# KiCad board k410t-devboard.kicad_pcb (continued)
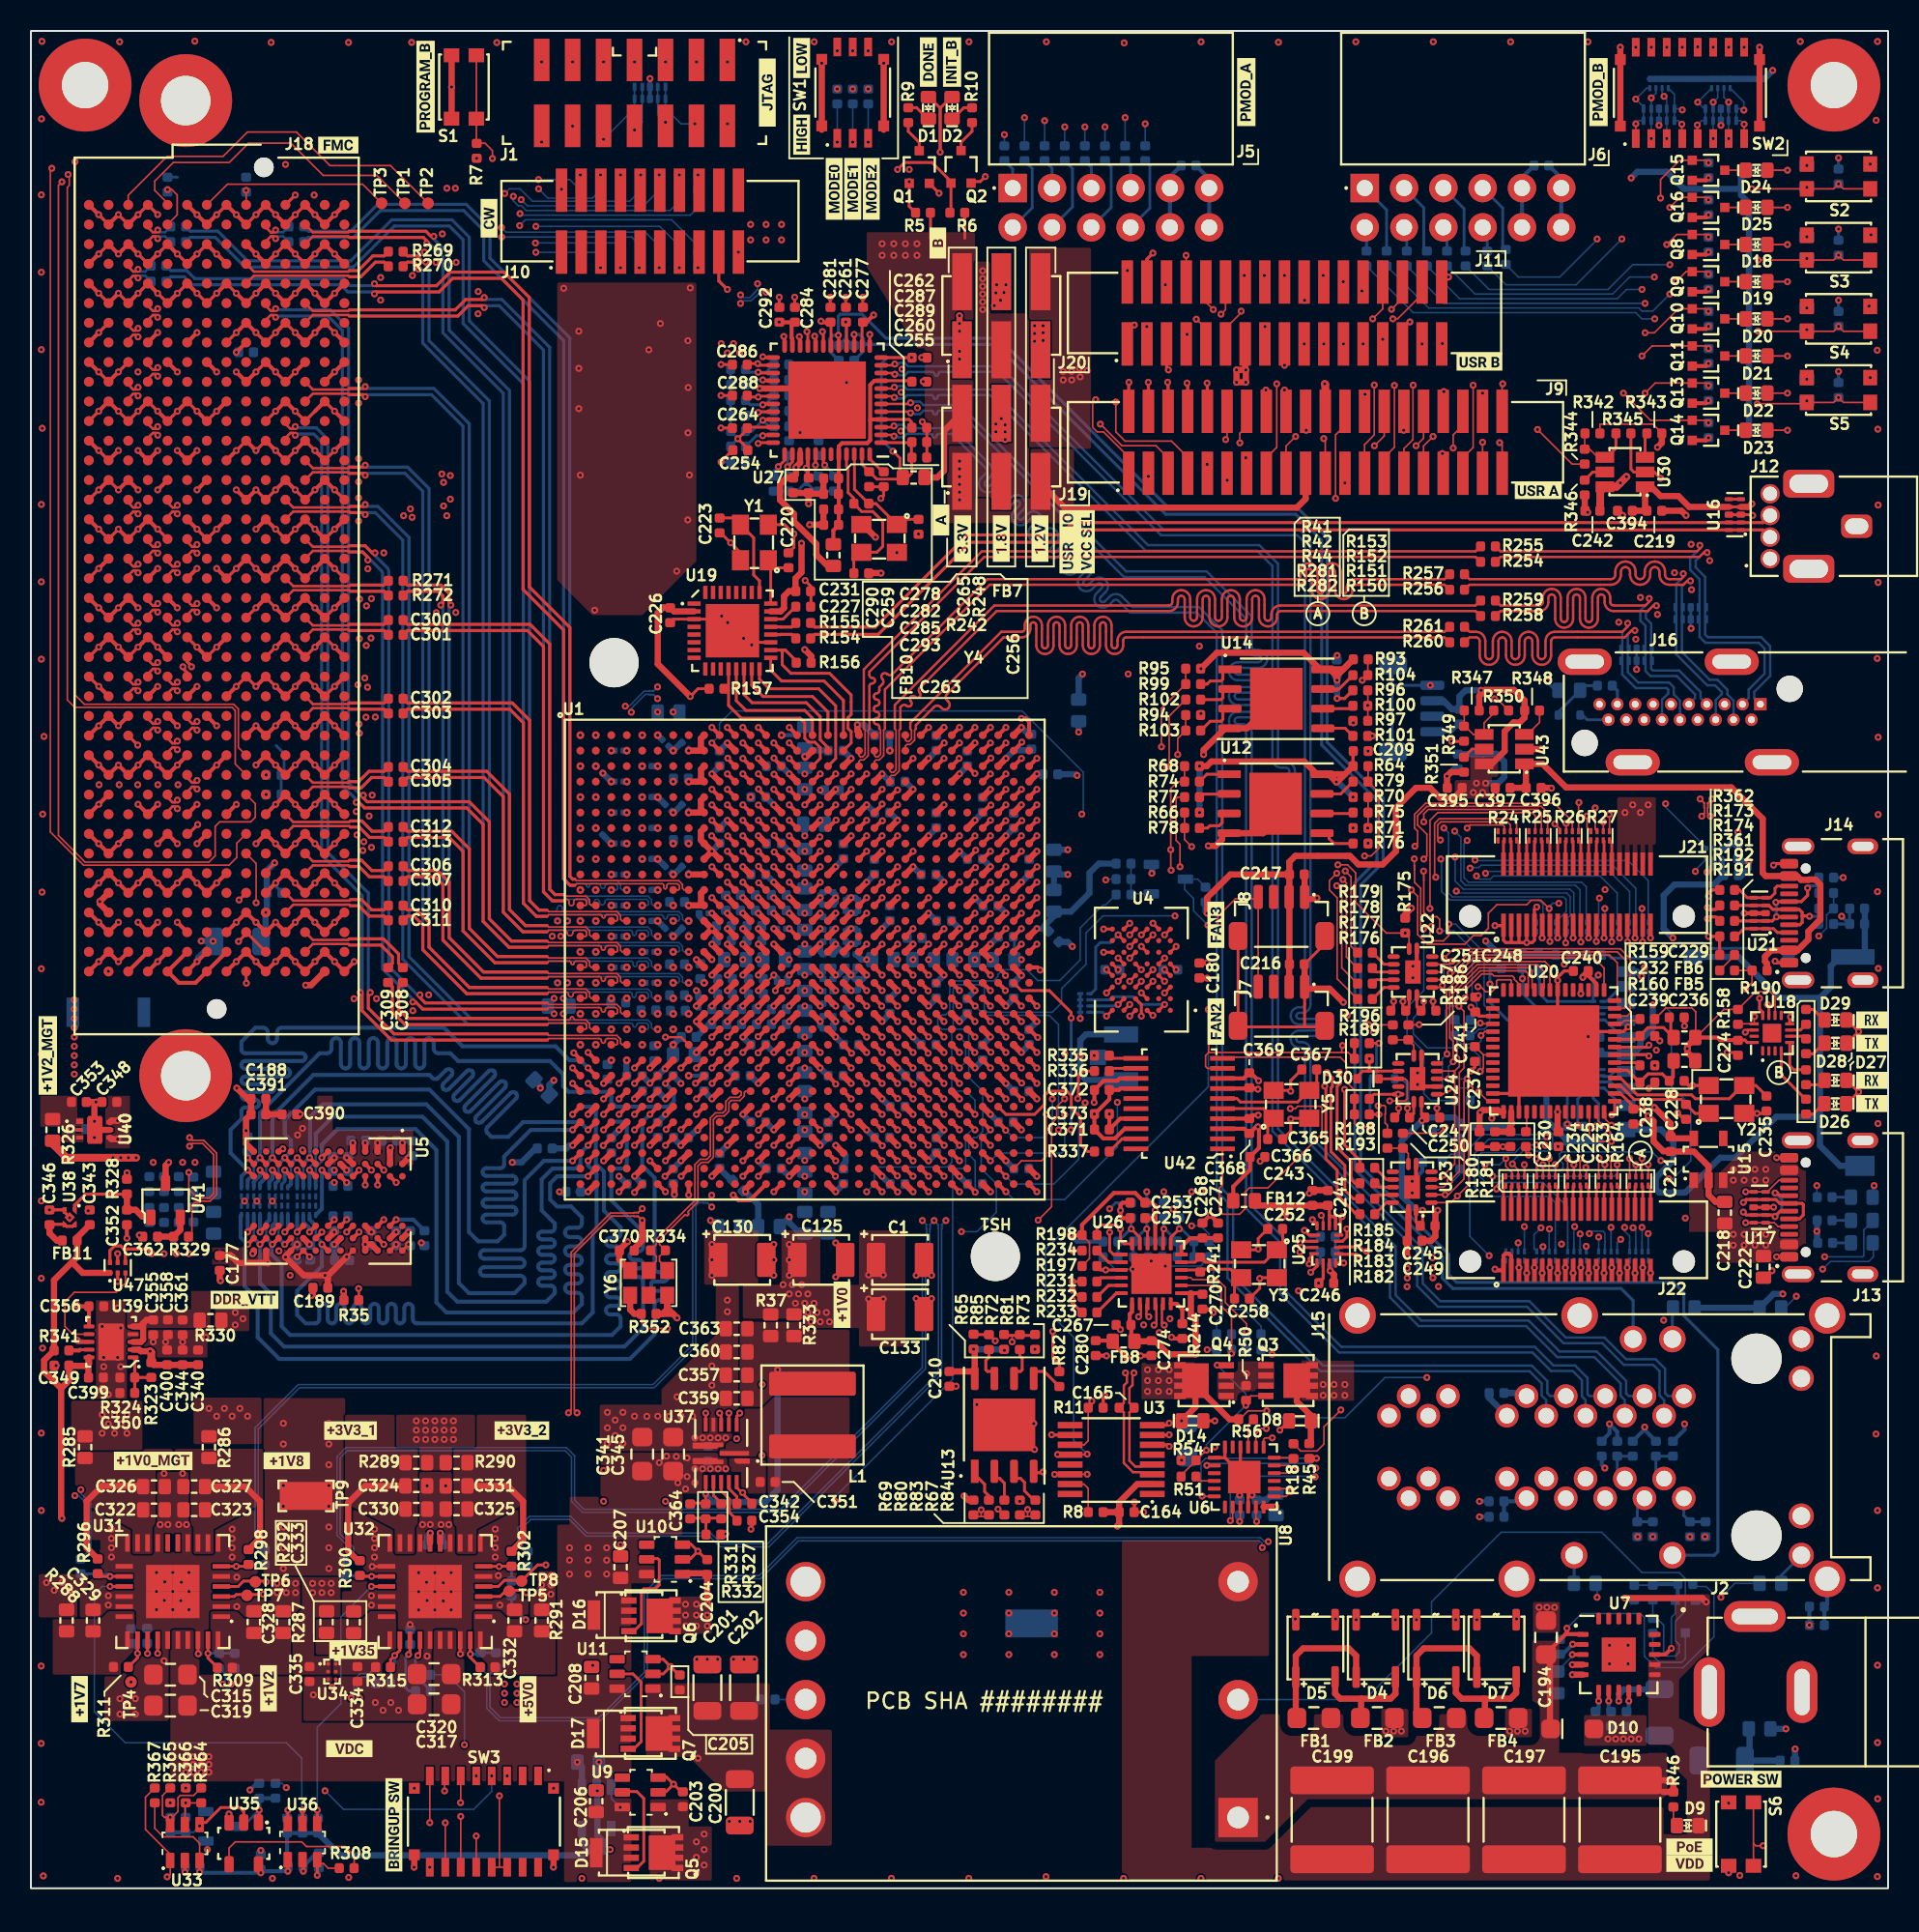
[diagram p0: board, top side]
## Routing (per net, layer and track width the routed paths; a pad name or vN(x,y) marks a point on that pad's centre or on a via; arc(x,y) is an arc through that point) (continued)
/FPGA Bank 16 & 17/GBE_RGMII.MDC: length 36.3
  Top w0.182: v1(46.99,93.35) 47.04,93.4 48.02,93.4
  Top w0.256: U1.F17 v1(52,70)
  In7.Cu w0.1: v1(46.99,93.35) 45.48,94.86 44.35,94.86 43.82,94.33 43.82,94.03 arc(43.88,93.89) 44.02,93.83 44.5,93.83 arc(44.64,93.77) 44.7,93.63 arc(44.64,93.49) 44.5,93.43 44.02,93.43 arc(43.88,93.37) 43.82,93.23 arc(43.88,93.09) 44.02,93.03 44.5,93.03 arc(44.64,92.97) 44.7,92.83 arc(44.64,92.69) 44.5,92.63 44.02,92.63 arc(43.88,92.57) 43.82,92.43 43.82,83.7 47.09,80.43 47.09,79.58 51.29,75.38 51.29,72.59 51.57,72.31 51.57,70.42 v1(52,70)
/FPGA Bank 16 & 17/GBE_RGMII.MDIO: length 37.1
  Top w0.182: 48.7,92.72 48.7,92.26 v1(48.29,91.85)
  Top w0.256: U1.D18 v1(53,72)
  In7.Cu w0.1: v1(48.29,91.85) 47.72,91.28 arc(47.6,91.23) 47.47,91.28 47.3,91.46 arc(47.17,91.51) 47.05,91.46 arc(47,91.33) 47.05,91.21 47.23,91.03 arc(47.28,90.91) 47.23,90.78 arc(47.1,90.73) 46.98,90.78 46.8,90.96 arc(46.68,91.01) 46.55,90.96 arc(46.5,90.84) 46.55,90.71 46.73,90.54 arc(46.78,90.41) 46.73,90.29 arc(46.61,90.24) 46.48,90.29 46.31,90.47 arc(46.18,90.52) 46.06,90.47 arc(46.01,90.34) 46.06,90.22 46.24,90.04 arc(46.29,89.92) 46.24,89.79 45.88,89.44 45.88,88.95 arc(45.82,88.81) 45.68,88.75 45.23,88.75 arc(45.09,88.69) 45.03,88.55 arc(45.09,88.41) 45.23,88.35 45.68,88.35 arc(45.82,88.29) 45.88,88.15 arc(45.82,88.01) 45.68,87.95 45.23,87.95 arc(45.09,87.89) 45.03,87.75 arc(45.09,87.61) 45.23,87.55 45.68,87.55 arc(45.82,87.49) 45.88,87.35 45.88,86.49 arc(45.82,86.35) 45.68,86.29 45.23,86.29 arc(45.09,86.23) 45.03,86.09 arc(45.09,85.95) 45.23,85.89 45.68,85.89 arc(45.82,85.83) 45.88,85.69 arc(45.82,85.55) 45.68,85.49 45.23,85.49 arc(45.09,85.43) 45.03,85.29 arc(45.09,85.15) 45.23,85.09 45.68,85.09 arc(45.82,85.03) 45.88,84.89 arc(45.82,84.75) 45.68,84.69 45.23,84.69 arc(45.09,84.63) 45.03,84.49 arc(45.09,84.35) 45.23,84.29 45.68,84.29 arc(45.82,84.23) 45.88,84.09 arc(45.82,83.95) 45.68,83.89 45.23,83.89 arc(45.09,83.83) 45.03,83.69 arc(45.09,83.55) 45.23,83.49 45.68,83.49 arc(45.82,83.43) 45.88,83.29 45.88,82.82 52.42,76.28 52.42,72.58 v1(53,72)
  Bottom w0.184: 47.99,91.23 47.99,91.55 v1(48.29,91.85)
/FPGA Bank 16 & 17/GBE_RGMII.REFCLK: length 38.6
  Top w0.184: v1(50.69,91.95) 50.7,92.06 50.7,92.72
  Top w0.256: U1.G18 v1(53,69)
  In7.Cu w0.1: v1(50.69,91.95) 50.69,91.48 49.94,90.73 arc(49.8,90.67) 49.66,90.73 49.29,91.1 arc(49.15,91.16) 49,91.1 arc(48.95,90.96) 49,90.81 49.37,90.45 arc(49.43,90.3) 49.37,90.16 arc(49.23,90.1) 49.09,90.16 48.72,90.53 arc(48.58,90.59) 48.44,90.53 arc(48.38,90.39) 48.44,90.25 48.81,89.88 arc(48.87,89.74) 48.81,89.6 arc(48.67,89.54) 48.52,89.6 48.16,89.97 arc(48.01,90.02) 47.87,89.97 arc(47.81,89.82) 47.87,89.68 48.24,89.31 arc(48.3,89.17) 48.24,89.03 arc(48.1,88.97) 47.96,89.03 47.59,89.4 arc(47.45,89.46) 47.31,89.4 arc(47.25,89.26) 47.31,89.12 47.68,88.75 arc(47.73,88.61) 47.68,88.47 arc(47.53,88.41) 47.39,88.47 47.02,88.83 arc(46.88,88.89) 46.74,88.83 arc(46.68,88.69) 46.74,88.55 47.11,88.18 arc(47.17,88.04) 47.11,87.9 46.54,87.33 46.54,84.22 50.61,80.15 50.61,79.19 53.34,76.46 53.34,75.79 53.01,75.46 53.01,74.7 53.57,74.14 53.57,69.58 v1(53,69)
  Bottom w0.184: 50.89,92.56 50.69,92.36 v1(50.69,91.95) 50.69,91.44 50.89,91.23
/FPGA Bank 16 & 17/GBE_RGMII.RX_DV: length 37.6
  Top w0.182: v1(47.29,94.85) 47.34,94.9 48.02,94.9
  Top w0.256: U1.E18 v1(53,71)
  In7.Cu w0.1: v1(53,71) 52.5,71.5 52.5,72.1 52.11,72.49 52.11,76.09 44.81,83.39 44.81,89.85 45.13,90.17 arc(45.19,90.3) 45.13,90.42 44.82,90.74 arc(44.77,90.86) 44.82,90.99 arc(44.94,91.04) 45.07,90.99 45.38,90.67 arc(45.51,90.62) 45.63,90.67 arc(45.68,90.79) 45.63,90.92 45.31,91.23 arc(45.26,91.36) 45.31,91.48 arc(45.44,91.53) 45.56,91.48 45.88,91.16 arc(46,91.11) 46.12,91.16 arc(46.18,91.29) 46.12,91.41 45.77,91.76 arc(45.72,91.89) 45.77,92.01 arc(45.9,92.06) 46.02,92.01 46.37,91.66 arc(46.5,91.61) 46.62,91.66 arc(46.67,91.78) 46.62,91.91 46.3,92.22 arc(46.25,92.35) 46.3,92.47 arc(46.43,92.52) 46.55,92.47 46.87,92.15 arc(46.99,92.1) 47.11,92.15 47.67,92.71 47.67,94.47 v1(47.29,94.85)
  Bottom w0.184: 48.01,94.45 47.69,94.45 v1(47.29,94.85) 46.59,94.15 46.18,94.15
/FPGA Bank 16 & 17/GBE_RGMII.RXD0: length 39.8
  Top w0.182: 48.02,95.4 47.04,95.4 v1(46.99,95.35)
  Top w0.256: U1.G17 52.01,69.01 v1(52.03,69.01)
  In7.Cu w0.1: v1(52.03,69.01) 51.38,69.66 51.38,72.22 51,72.6 51,75.22 45.47,80.75 arc(45.42,80.87) 45.47,80.99 45.72,81.24 arc(45.77,81.36) 45.72,81.49 arc(45.6,81.54) 45.47,81.49 45.23,81.24 arc(45.1,81.19) 44.98,81.24 44.03,82.19 arc(43.98,82.31) 44.03,82.43 44.28,82.68 arc(44.33,82.8) 44.28,82.93 arc(44.16,82.98) 44.03,82.93 43.79,82.68 arc(43.66,82.63) 43.54,82.68 43.49,82.73 43.49,94.51 44.33,95.35 46.05,95.35 arc(46.17,95.3) 46.22,95.17 46.22,94.87 arc(46.28,94.75) 46.4,94.7 arc(46.52,94.75) 46.57,94.87 46.57,95.17 arc(46.63,95.3) 46.75,95.35 v1(46.99,95.35)
  Bottom w0.184: 48.01,95.45 47.91,95.35 v1(46.99,95.35) 46.38,95.35 46.18,95.15
/FPGA Bank 16 & 17/GBE_RGMII.RXD1: length 36.7
  Top w0.182: v1(47.29,95.85) 47.34,95.9 48.02,95.9
  Top w0.256: U1.D16 v1(51,72)
  In7.Cu w0.1: v1(51,72) 50.7,72.3 50.7,75.22 43.14,82.78 43.14,94.63 44.36,95.85 44.93,95.85 arc(45.09,95.92) 45.16,96.08 45.16,96.43 arc(45.22,96.59) 45.38,96.66 arc(45.54,96.59) 45.6,96.43 45.6,96.08 arc(45.67,95.92) 45.83,95.85 arc(45.99,95.92) 46.06,96.08 46.06,96.43 arc(46.12,96.59) 46.28,96.66 arc(46.44,96.59) 46.5,96.43 46.5,96.08 arc(46.57,95.92) 46.73,95.85 v1(47.29,95.85)
  Bottom w0.184: 48.01,96.45 47.41,95.85 v1(47.29,95.85) 46.48,95.85 46.18,96.15
/FPGA Bank 16 & 17/GBE_RGMII.RXD2: length 43.1
  Top w0.182: 48.02,97.4 47.34,97.4 v1(47.29,97.45)
  Top w0.256: U1.F20 55,70 v1(55,70.05)
  In7.Cu w0.1: v1(47.29,97.45) 47.87,96.88 47.87,93.08 48.38,92.57 48.52,92.57 arc(48.68,92.64) 48.75,92.8 48.75,93.14 arc(48.81,93.3) 48.97,93.37 arc(49.13,93.3) 49.19,93.14 49.19,92.8 arc(49.26,92.64) 49.42,92.57 arc(49.58,92.64) 49.65,92.8 49.65,93.14 arc(49.71,93.3) 49.87,93.37 arc(50.03,93.3) 50.09,93.14 50.09,92.8 arc(50.16,92.64) 50.32,92.57 arc(50.48,92.64) 50.54,92.8 50.54,93.14 arc(50.61,93.3) 50.77,93.37 arc(50.93,93.3) 51,93.14 51,92.8 arc(51.06,92.64) 51.22,92.57 51.48,92.57 51.74,92.31 51.74,90.35 50.38,88.99 49.51,88.99 48,87.48 48,84.51 51.47,81.04 51.47,79.43 54.38,76.53 54.38,70.67 v1(55,70.05)
  Bottom w0.184: 46.18,97.15 46.48,97.45 v1(47.29,97.45) 48.01,97.45
/FPGA Bank 16 & 17/GBE_RGMII.RXD3: length 43.3
  Top w0.182: v1(46.99,97.95) 47.04,97.9 48.02,97.9
  Top w0.256: U1.E20 v1(55,71)
  In7.Cu w0.1: v1(46.99,97.95) 47.32,97.95 48.36,96.91 48.36,94.05 48.76,93.65 51.31,93.65 52.14,92.82 52.14,90.31 50.52,88.69 49.63,88.69 48.41,87.47 48.41,87.18 arc(48.47,87.04) 48.61,86.98 49,86.98 arc(49.14,86.92) 49.2,86.78 arc(49.14,86.64) 49,86.58 48.61,86.58 arc(48.47,86.52) 48.41,86.38 arc(48.47,86.24) 48.61,86.18 49.05,86.18 arc(49.19,86.12) 49.25,85.98 arc(49.19,85.84) 49.05,85.78 48.61,85.78 arc(48.47,85.72) 48.41,85.58 arc(48.47,85.44) 48.61,85.38 49.05,85.38 arc(49.19,85.32) 49.25,85.18 arc(49.19,85.04) 49.05,84.98 48.61,84.98 arc(48.47,84.92) 48.41,84.78 48.41,84.53 51.91,81.03 51.91,79.59 54.6,76.9 54.6,71.4 v1(55,71)
  Bottom w0.184: 48.01,98.45 47.51,97.95 v1(46.99,97.95) 46.38,97.95 46.18,98.15
/FPGA Bank 16 & 17/GBE_RGMII.TX_EN: length 48.8
  Top w0.182: v1(47.29,98.95) 47.34,98.9 48.02,98.9
  Top w0.256: U1.G20 54.97,68.97 v1(55.02,68.97)
  In7.Cu w0.1: v1(55.02,68.97) 55.38,69.33 55.38,72.28 54.8,72.85 54.8,74.02 55.01,74.23 55.01,77.09 52.35,79.75 52.35,81.12 50.95,82.52 50.95,82.52 50.81,82.65 50.81,88.52 52.53,90.24 52.53,92.93 51.38,94.08 arc(51.33,94.2) 51.38,94.32 51.62,94.56 arc(51.67,94.68) 51.62,94.81 arc(51.5,94.86) 51.37,94.81 50.55,93.98 arc(50.42,93.93) 50.3,93.98 arc(50.25,94.1) 50.3,94.23 51.13,95.05 arc(51.18,95.18) 51.13,95.3 arc(51,95.35) 50.88,95.3 50.09,94.51 arc(49.96,94.46) 49.84,94.51 arc(49.79,94.64) 49.84,94.76 50.63,95.55 arc(50.68,95.67) 50.63,95.8 arc(50.51,95.85) 50.38,95.8 49.49,94.9 arc(49.36,94.85) 49.24,94.9 arc(49.19,95.02) 49.24,95.15 50.14,96.04 arc(50.19,96.17) 50.14,96.29 arc(50.01,96.34) 49.89,96.29 48.99,95.4 arc(48.87,95.34) 48.75,95.4 arc(48.69,95.52) 48.75,95.64 49.64,96.54 arc(49.69,96.66) 49.64,96.79 arc(49.52,96.84) 49.39,96.79 49.16,96.55 arc(49.03,96.5) 48.91,96.55 48.76,96.7 48.76,97.48 v1(47.29,98.95)
/FPGA Bank 16 & 17/GBE_RGMII.TXD0: length 41.1
  Top w0.184: v1(51.14,100.58) 51.2,100.52 51.2,99.58
  Top w0.256: U1.C22 v1(57,73)
  In7.Cu w0.1: v1(51.14,100.58) 51.14,97.97 55.31,93.81 55.31,91.72 arc(55.26,91.6) 55.13,91.55 54.58,91.55 arc(54.46,91.49) 54.41,91.37 arc(54.46,91.25) 54.58,91.19 55.13,91.19 arc(55.26,91.14) 55.31,91.02 arc(55.26,90.9) 55.13,90.84 54.58,90.84 arc(54.46,90.79) 54.41,90.67 arc(54.46,90.55) 54.58,90.5 55.13,90.5 arc(55.26,90.44) 55.31,90.32 55.31,89.15 arc(55.26,89.03) 55.13,88.97 54.53,88.97 arc(54.41,88.92) 54.36,88.8 arc(54.41,88.68) 54.53,88.62 55.13,88.62 arc(55.26,88.57) 55.31,88.45 arc(55.26,88.33) 55.13,88.28 54.53,88.28 arc(54.41,88.22) 54.36,88.1 arc(54.41,87.98) 54.53,87.92 55.13,87.92 arc(55.26,87.87) 55.31,87.75 55.31,86.85 arc(55.26,86.73) 55.13,86.67 54.53,86.67 arc(54.41,86.62) 54.36,86.5 arc(54.41,86.38) 54.53,86.33 55.13,86.33 arc(55.26,86.27) 55.31,86.15 arc(55.26,86.03) 55.13,85.97 54.53,85.97 arc(54.41,85.92) 54.36,85.8 arc(54.41,85.68) 54.53,85.62 55.13,85.62 arc(55.26,85.57) 55.31,85.45 55.31,79.69 57,78 v1(57,73)
/FPGA Bank 16 & 17/GBE_RGMII.TXD1: length 46.8
  Top w0.184: 50.7,99.58 50.7,100.22 v1(50.64,100.28)
  Top w0.256: U1.H21 v1(56,68)
  In7.Cu w0.1: v1(56,68) 56.57,68.58 56.57,68.92 arc(56.63,69.04) 56.75,69.09 56.94,69.09 arc(57.07,69.14) 57.12,69.27 arc(57.07,69.39) 56.94,69.44 56.75,69.44 arc(56.63,69.49) 56.57,69.61 56.57,77.83 54.12,80.28 54.12,80.44 arc(54.17,80.56) 54.29,80.61 54.9,80.61 arc(55.02,80.67) 55.07,80.79 arc(55.02,80.91) 54.9,80.97 54.29,80.97 arc(54.17,81.02) 54.12,81.14 arc(54.17,81.26) 54.29,81.31 54.9,81.31 arc(55.02,81.37) 55.07,81.49 arc(55.02,81.61) 54.9,81.67 54.29,81.67 arc(54.17,81.72) 54.12,81.84 arc(54.17,81.96) 54.29,82.02 54.9,82.02 arc(55.02,82.07) 55.07,82.19 arc(55.02,82.31) 54.9,82.36 54.29,82.36 arc(54.17,82.42) 54.12,82.54 arc(54.17,82.66) 54.29,82.72 54.9,82.72 arc(55.02,82.77) 55.07,82.89 arc(55.02,83.01) 54.9,83.06 54.29,83.06 arc(54.17,83.12) 54.12,83.24 arc(54.17,83.36) 54.29,83.42 54.9,83.42 arc(55.02,83.47) 55.07,83.59 arc(55.02,83.71) 54.9,83.77 54.29,83.77 arc(54.17,83.82) 54.12,83.94 arc(54.17,84.06) 54.29,84.11 54.9,84.11 arc(55.02,84.17) 55.07,84.29 arc(55.02,84.41) 54.9,84.47 54.29,84.47 arc(54.17,84.52) 54.12,84.64 54.12,94.5 50.64,97.97 v1(50.64,100.28)
/FPGA Bank 16 & 17/GBE_RGMII.TXD2: length 41.7
  Top w0.184: 50.2,99.58 50.2,100.52 v1(50.14,100.58)
  Top w0.256: U1.F21 v1(56,70)
  In7.Cu w0.1: v1(56,70) 56.38,70.38 56.38,71.33 56.2,71.5 56.2,77.6 53.74,80.06 53.74,81.4 arc(53.69,81.52) 53.57,81.57 53.49,81.57 arc(53.36,81.63) 53.31,81.75 arc(53.36,81.87) 53.49,81.92 53.57,81.92 arc(53.69,81.98) 53.74,82.1 arc(53.69,82.22) 53.57,82.27 53.49,82.27 arc(53.36,82.33) 53.31,82.45 arc(53.36,82.57) 53.49,82.62 53.57,82.62 arc(53.69,82.68) 53.74,82.8 arc(53.69,82.92) 53.57,82.97 53.49,82.97 arc(53.36,83.03) 53.31,83.15 arc(53.36,83.27) 53.49,83.32 53.57,83.32 arc(53.69,83.38) 53.74,83.5 arc(53.69,83.62) 53.57,83.67 53.49,83.67 arc(53.36,83.73) 53.31,83.85 arc(53.36,83.97) 53.49,84.02 53.57,84.02 arc(53.69,84.08) 53.74,84.2 arc(53.69,84.32) 53.57,84.37 53.49,84.37 arc(53.36,84.43) 53.31,84.55 arc(53.36,84.67) 53.49,84.72 53.57,84.72 arc(53.69,84.78) 53.74,84.9 arc(53.69,85.02) 53.57,85.07 53.49,85.07 arc(53.36,85.13) 53.31,85.25 arc(53.36,85.37) 53.49,85.42 53.57,85.42 arc(53.69,85.48) 53.74,85.6 arc(53.69,85.72) 53.57,85.77 53.49,85.77 arc(53.36,85.83) 53.31,85.95 arc(53.36,86.07) 53.49,86.12 53.57,86.12 arc(53.69,86.18) 53.74,86.3 arc(53.69,86.42) 53.57,86.47 53.49,86.47 arc(53.36,86.53) 53.31,86.65 arc(53.36,86.77) 53.49,86.82 53.57,86.82 arc(53.69,86.88) 53.74,87 arc(53.69,87.12) 53.57,87.17 53.49,87.17 arc(53.36,87.23) 53.31,87.35 arc(53.36,87.47) 53.49,87.52 53.57,87.52 arc(53.69,87.58) 53.74,87.7 arc(53.69,87.82) 53.57,87.87 53.49,87.87 arc(53.36,87.93) 53.31,88.05 arc(53.36,88.17) 53.49,88.22 53.57,88.22 arc(53.69,88.28) 53.74,88.4 arc(53.69,88.52) 53.57,88.57 53.49,88.57 arc(53.36,88.63) 53.31,88.75 arc(53.36,88.87) 53.49,88.92 53.57,88.92 arc(53.69,88.98) 53.74,89.1 arc(53.69,89.22) 53.57,89.27 53.49,89.27 arc(53.36,89.33) 53.31,89.45 arc(53.36,89.57) 53.49,89.62 53.57,89.62 arc(53.69,89.68) 53.74,89.8 53.74,94.28 50.14,97.88 v1(50.14,100.58)
/FPGA Bank 16 & 17/GBE_RGMII.TXD3: length 41.3
  Top w0.184: 49.7,99.58 49.7,100.2 v1(49.65,100.25)
  Top w0.256: U1.E21 55.96,70.96 v1(56,70.96)
  In7.Cu w0.1: v1(56,70.96) 55.87,71.09 55.87,77.43 53.32,79.98 53.32,81.13 52.45,82 52.45,82.14 arc(52.5,82.26) 52.62,82.31 52.79,82.31 arc(52.91,82.37) 52.97,82.49 arc(52.91,82.61) 52.79,82.67 52.62,82.67 arc(52.5,82.72) 52.45,82.84 arc(52.5,82.96) 52.62,83.02 52.79,83.02 arc(52.91,83.07) 52.97,83.19 arc(52.91,83.31) 52.79,83.36 52.62,83.36 arc(52.5,83.42) 52.45,83.54 arc(52.5,83.66) 52.62,83.72 52.79,83.72 arc(52.91,83.77) 52.97,83.89 arc(52.91,84.01) 52.79,84.06 52.62,84.06 arc(52.5,84.12) 52.45,84.24 arc(52.5,84.36) 52.62,84.42 52.79,84.42 arc(52.91,84.47) 52.97,84.59 arc(52.91,84.71) 52.79,84.77 52.62,84.77 arc(52.5,84.82) 52.45,84.94 arc(52.5,85.06) 52.62,85.11 52.79,85.11 arc(52.91,85.17) 52.97,85.29 arc(52.91,85.41) 52.79,85.47 52.62,85.47 arc(52.5,85.52) 52.45,85.64 arc(52.5,85.76) 52.62,85.81 52.79,85.81 arc(52.91,85.87) 52.97,85.99 arc(52.91,86.11) 52.79,86.17 52.62,86.17 arc(52.5,86.22) 52.45,86.34 arc(52.5,86.46) 52.62,86.52 52.79,86.52 arc(52.91,86.57) 52.97,86.69 arc(52.91,86.81) 52.79,86.86 52.62,86.86 arc(52.5,86.92) 52.45,87.04 arc(52.5,87.16) 52.62,87.22 52.79,87.22 arc(52.91,87.27) 52.97,87.39 arc(52.91,87.51) 52.79,87.56 52.62,87.56 arc(52.5,87.62) 52.45,87.74 arc(52.5,87.86) 52.62,87.92 52.79,87.92 arc(52.91,87.97) 52.97,88.09 arc(52.91,88.21) 52.79,88.27 52.62,88.27 arc(52.5,88.32) 52.45,88.44 arc(52.5,88.56) 52.62,88.61 52.79,88.61 arc(52.91,88.67) 52.97,88.79 arc(52.91,88.91) 52.79,88.97 52.62,88.97 arc(52.5,89.02) 52.45,89.14 52.45,89.18 53.34,90.07 53.34,94.08 49.65,97.77 v1(49.65,100.25)
/FPGA Bank 16 & 17/GBE_RGMII.~{INT}: length 38.7
  Top w0.184: 49.2,92.72 49.2,92.16 v1(48.89,91.85)
  Top w0.256: U1.F18 v1(53,70)
  In7.Cu w0.1: v1(53,70) 53.38,70.38 53.38,73.33 52.7,74 52.7,75.6 52.89,75.79 52.89,76.31 50.14,79.06 arc(50.1,79.17) 50.14,79.27 50.16,79.29 arc(50.2,79.4) 50.16,79.5 arc(50.05,79.55) 49.94,79.5 49.93,79.48 49.93,79.49 arc(49.82,79.44) 49.72,79.48 49.38,79.83 arc(49.32,79.95) 49.37,80.07 49.76,80.46 arc(49.82,80.59) 49.76,80.71 arc(49.64,80.76) 49.52,80.71 49.13,80.32 arc(49,80.27) 48.88,80.32 arc(48.83,80.44) 48.88,80.57 49.27,80.96 arc(49.32,81.08) 49.27,81.2 arc(49.15,81.26) 49.02,81.2 48.63,80.81 arc(48.51,80.76) 48.39,80.81 arc(48.33,80.94) 48.39,81.06 48.77,81.45 arc(48.83,81.58) 48.77,81.7 arc(48.65,81.75) 48.53,81.7 48.14,81.31 arc(48.01,81.26) 47.89,81.31 arc(47.84,81.43) 47.89,81.56 48.28,81.95 arc(48.33,82.07) 48.28,82.19 arc(48.16,82.25) 48.03,82.19 47.64,81.8 arc(47.52,81.75) 47.4,81.8 arc(47.34,81.93) 47.4,82.05 47.78,82.44 arc(47.84,82.57) 47.78,82.69 arc(47.66,82.74) 47.54,82.69 47.15,82.3 arc(47.02,82.25) 46.9,82.3 arc(46.85,82.42) 46.9,82.55 47.29,82.94 arc(47.34,83.06) 47.29,83.18 arc(47.17,83.24) 47.04,83.18 46.65,82.79 arc(46.53,82.74) 46.41,82.79 46.24,82.96 46.24,89.2 v1(48.89,91.85)
  Bottom w0.184: 48.99,92.56 48.89,92.47 v1(48.89,91.85) 48.89,91.33 48.99,91.23
/FPGA Bank 16 & 17/GBE_RGMII.~{RESET}: length 38.3
  Top w0.184: 51.2,92.72 51.2,92.04 v1(51.29,91.95)
  Top w0.256: U1.D19 v1(54,72)
  In7.Cu w0.1: v1(51.29,91.95) 51.29,91.17 47.73,87.61 47.73,86.94 arc(47.68,86.82) 47.56,86.77 47.03,86.77 arc(46.9,86.71) 46.85,86.59 arc(46.9,86.47) 47.03,86.42 47.56,86.42 arc(47.68,86.36) 47.73,86.24 arc(47.68,86.12) 47.56,86.06 47.03,86.06 arc(46.9,86.01) 46.85,85.89 arc(46.9,85.77) 47.03,85.72 47.56,85.72 arc(47.68,85.66) 47.73,85.54 arc(47.68,85.42) 47.56,85.36 47.03,85.36 arc(46.9,85.31) 46.85,85.19 arc(46.9,85.07) 47.03,85.02 47.56,85.02 arc(47.68,84.96) 47.73,84.84 arc(47.68,84.72) 47.56,84.67 47.03,84.67 arc(46.9,84.61) 46.85,84.49 arc(46.9,84.37) 47.03,84.31 47.56,84.31 arc(47.68,84.26) 47.73,84.14 47.73,83.56 47.83,83.46 arc(47.95,83.41) 48.08,83.46 48.29,83.67 arc(48.41,83.72) 48.54,83.67 arc(48.59,83.55) 48.54,83.42 48.32,83.21 arc(48.27,83.09) 48.32,82.97 arc(48.45,82.91) 48.57,82.97 48.78,83.18 arc(48.91,83.23) 49.03,83.18 arc(49.08,83.05) 49.03,82.93 48.82,82.72 arc(48.77,82.59) 48.82,82.47 arc(48.94,82.42) 49.07,82.47 49.28,82.68 arc(49.4,82.73) 49.53,82.68 arc(49.58,82.56) 49.53,82.43 49.31,82.22 arc(49.26,82.1) 49.31,81.98 arc(49.44,81.92) 49.56,81.98 49.77,82.19 arc(49.9,82.24) 50.02,82.19 arc(50.07,82.06) 50.02,81.94 49.81,81.73 arc(49.76,81.6) 49.81,81.48 arc(49.93,81.43) 50.06,81.48 50.27,81.69 arc(50.39,81.74) 50.52,81.69 arc(50.57,81.57) 50.52,81.44 50.3,81.23 arc(50.25,81.11) 50.3,80.99 arc(50.43,80.93) 50.55,80.99 50.76,81.2 arc(50.89,81.25) 51.01,81.2 arc(51.06,81.07) 51.01,80.95 50.8,80.74 arc(50.75,80.61) 50.8,80.49 51.02,80.27 51.02,79.28 53.78,76.53 53.78,72.22 v1(54,72)
  Bottom w0.184: 51.89,91.23 51.89,91.35 v1(51.29,91.95)
/FPGA Bank 16 & 17/HDMI.CLK_N: length 52.8
  Top w0.1: 56.82,74.91 56.9,74.83 56.9,74.27 56.73,74.1 56.6,74.1 56.5,74.2 U1.A22
  Top w0.153: 91.66,81.5 91.35,81.18 70.77,81.18 arc(70.38,81.02) 70.21,80.62 70.21,80.3 arc(70.16,80.16) 70.02,80.11 arc(69.88,80.16) 69.82,80.3 69.82,81.6 arc(69.66,81.99) 69.27,82.15 arc(68.88,81.99) 68.71,81.6 68.71,80.3 arc(68.66,80.16) 68.52,80.11 arc(68.38,80.16) 68.32,80.3 68.32,81.6 arc(68.16,81.99) 67.77,82.15 arc(67.38,81.99) 67.21,81.6 67.21,80.3 arc(67.16,80.16) 67.02,80.11 arc(66.88,80.16) 66.82,80.3 66.82,81.6 arc(66.66,81.99) 66.27,82.15 arc(65.88,81.99) 65.71,81.6 65.71,80.3 arc(65.66,80.16) 65.52,80.11 arc(65.38,80.16) 65.32,80.3 65.32,81.6 arc(65.16,81.99) 64.77,82.15 arc(64.38,81.99) 64.21,81.6 64.21,81.38 arc(64.16,81.24) 64.02,81.18 62.7,81.18 56.82,75.3 56.82,74.91
/FPGA Bank 16 & 17/HDMI.CLK_P: length 53.4
  Top w0.1: U1.B22 56.5,73.8 56.6,73.9 56.82,73.9 57.1,74.18 57.1,74.83 57.18,74.91
  Top w0.153: 91.66,80.5 91.35,80.82 70.77,80.82 arc(70.63,80.76) 70.57,80.62 70.57,80.3 arc(70.41,79.91) 70.02,79.75 arc(69.63,79.91) 69.46,80.3 69.46,81.6 arc(69.41,81.74) 69.27,81.79 arc(69.13,81.74) 69.07,81.6 69.07,80.3 arc(68.91,79.91) 68.52,79.75 arc(68.13,79.91) 67.96,80.3 67.96,81.6 arc(67.91,81.74) 67.77,81.79 arc(67.63,81.74) 67.57,81.6 67.57,80.3 arc(67.41,79.91) 67.02,79.75 arc(66.63,79.91) 66.46,80.3 66.46,81.6 arc(66.41,81.74) 66.27,81.79 arc(66.13,81.74) 66.07,81.6 66.07,80.3 arc(65.91,79.91) 65.52,79.75 arc(65.13,79.91) 64.96,80.3 64.96,81.6 arc(64.91,81.74) 64.77,81.79 arc(64.63,81.74) 64.57,81.6 64.57,81.38 arc(64.41,80.98) 64.02,80.82 62.85,80.82 59.2,77.17 arc(59.11,76.96) 59.2,76.75 59.28,76.67 arc(59.37,76.46) 59.28,76.25 arc(59.07,76.16) 58.85,76.25 58.78,76.32 arc(58.56,76.41) 58.35,76.32 57.18,75.15 57.18,74.91
/FPGA Bank 16 & 17/HDMI.D0_N: length 58.4
  Top w0.1: U1.C21 55.5,72.2 55.6,72.1 55.73,72.1 55.9,72.27 55.9,74.83 55.82,74.91
  Top w0.153: 55.82,74.91 55.82,76.45 62.25,82.88 73.53,82.88 arc(73.69,82.94) 73.75,83.1 73.75,83.29 arc(73.92,83.7) 74.33,83.87 arc(74.74,83.7) 74.91,83.29 74.91,82.11 arc(74.98,81.95) 75.13,81.89 arc(75.29,81.95) 75.35,82.11 75.35,83.29 arc(75.52,83.7) 75.93,83.87 arc(76.34,83.7) 76.51,83.29 76.51,82.11 arc(76.58,81.95) 76.73,81.89 arc(76.89,81.95) 76.95,82.11 76.95,83.29 arc(77.12,83.7) 77.53,83.87 arc(77.94,83.7) 78.11,83.29 78.11,82.11 arc(78.18,81.95) 78.33,81.89 arc(78.49,81.95) 78.55,82.11 78.55,83.29 arc(78.72,83.7) 79.13,83.87 arc(79.54,83.7) 79.71,83.29 79.71,82.11 arc(79.78,81.95) 79.93,81.89 arc(80.09,81.95) 80.15,82.11 80.15,82.3 arc(80.32,82.71) 80.73,82.88 93.35,82.88 93.66,83.2
/FPGA Bank 16 & 17/HDMI.D0_P: length 59.1
  Top w0.1: 56.18,74.91 56.1,74.83 56.1,72.18 55.82,71.9 55.6,71.9 55.5,71.8 U1.D21
  Top w0.153: 56.18,74.91 56.18,76.3 56.29,76.41 arc(56.43,76.47) 56.57,76.41 56.57,76.41 arc(56.72,76.35) 56.86,76.41 arc(56.92,76.55) 56.86,76.69 56.86,76.69 arc(56.8,76.83) 56.86,76.98 arc(57,77.03) 57.14,76.98 57.14,76.97 arc(57.28,76.92) 57.42,76.97 arc(57.48,77.12) 57.42,77.26 57.42,77.26 arc(57.36,77.4) 57.42,77.54 57.78,77.9 62.4,82.52 73.53,82.52 arc(73.94,82.69) 74.11,83.1 74.11,83.29 arc(74.18,83.45) 74.33,83.51 arc(74.49,83.45) 74.55,83.29 74.55,82.11 arc(74.72,81.7) 75.13,81.53 arc(75.54,81.7) 75.71,82.11 75.71,83.29 arc(75.78,83.45) 75.93,83.51 arc(76.09,83.45) 76.15,83.29 76.15,82.11 arc(76.32,81.7) 76.73,81.53 arc(77.14,81.7) 77.31,82.11 77.31,83.29 arc(77.38,83.45) 77.53,83.51 arc(77.69,83.45) 77.75,83.29 77.75,82.11 arc(77.92,81.7) 78.33,81.53 arc(78.74,81.7) 78.91,82.11 78.91,83.29 arc(78.98,83.45) 79.13,83.51 arc(79.29,83.45) 79.35,83.29 79.35,82.11 arc(79.52,81.7) 79.93,81.53 arc(80.34,81.7) 80.51,82.11 80.51,82.3 arc(80.58,82.46) 80.73,82.52 93.35,82.52 93.66,82.2
/FPGA Bank 16 & 17/HDMI.D1_N: length 53
  Top w0.1: U1.B20 54.5,73.2 54.6,73.1 54.73,73.1 54.9,73.27 54.9,74.67 54.9,74.67 54.9,74.83 54.82,74.91
  Top w0.153: 54.82,74.91 54.82,75.03 arc(54.77,75.15) 54.64,75.21 arc(54.52,75.26) 54.47,75.38 54.47,75.43 arc(54.52,75.55) 54.64,75.61 arc(54.77,75.66) 54.82,75.78 54.82,75.83 arc(54.77,75.95) 54.64,76.01 arc(54.52,76.06) 54.47,76.18 54.47,76.23 arc(54.52,76.35) 54.64,76.41 arc(54.77,76.46) 54.82,76.58 54.82,76.63 arc(54.77,76.75) 54.64,76.81 arc(54.52,76.86) 54.47,76.98 54.47,77.03 arc(54.52,77.15) 54.64,77.21 arc(54.77,77.26) 54.82,77.38 54.82,77.6 55.02,77.8 arc(55.09,77.96) 55.02,78.12 55.01,78.13 arc(54.95,78.29) 55.01,78.45 arc(55.17,78.51) 55.33,78.45 55.34,78.44 arc(55.5,78.37) 55.66,78.44 61.8,84.58 81.83,84.58 arc(81.97,84.64) 82.03,84.78 82.03,85.06 arc(82.19,85.45) 82.58,85.61 arc(82.97,85.45) 83.14,85.06 83.14,83.84 arc(83.19,83.71) 83.33,83.65 arc(83.47,83.71) 83.53,83.84 83.53,85.06 arc(83.69,85.45) 84.08,85.61 arc(84.47,85.45) 84.64,85.06 84.64,83.84 arc(84.69,83.71) 84.83,83.65 arc(84.97,83.71) 85.03,83.84 85.03,84.03 arc(85.19,84.42) 85.58,84.58 91.35,84.58 91.66,84.9
/FPGA Bank 16 & 17/HDMI.D1_P: length 51
  Top w0.1: 55.18,74.91 55.1,74.82 55.1,74.82 55.1,73.18 54.82,72.9 54.6,72.9 54.5,72.8 U1.C20
  Top w0.153: 55.18,74.91 55.18,77.45 61.95,84.22 81.83,84.22 arc(82.22,84.38) 82.39,84.78 82.39,85.06 arc(82.44,85.19) 82.58,85.25 arc(82.72,85.19) 82.78,85.06 82.78,83.84 arc(82.94,83.45) 83.33,83.29 arc(83.72,83.45) 83.89,83.84 83.89,85.06 arc(83.94,85.19) 84.08,85.25 arc(84.22,85.19) 84.28,85.06 84.28,83.84 arc(84.44,83.45) 84.83,83.29 arc(85.22,83.45) 85.39,83.84 85.39,84.03 arc(85.44,84.16) 85.58,84.22 91.35,84.22 91.66,83.9
/FPGA Bank 16 & 17/HDMI.D2_N: length 49.5
  Top w0.1: 53.82,74.91 53.9,74.83 53.9,73.27 53.73,73.1 53.6,73.1 53.5,73.2 U1.B19
  Top w0.153: 93.66,86.7 93.35,86.38 61.45,86.38 53.82,78.75 53.82,74.91
/FPGA Bank 16 & 17/HDMI.D2_P: length 49.6
  Top w0.1: U1.C19 53.5,72.8 53.6,72.9 53.82,72.9 54.1,73.18 54.1,74.83 54.18,74.91
  Top w0.153: 93.66,85.7 93.35,86.02 61.6,86.02 54.18,78.6 54.18,78.38 arc(54.23,78.25) 54.36,78.2 54.37,78.2 arc(54.49,78.15) 54.54,78.02 arc(54.49,77.9) 54.37,77.85 54.36,77.85 arc(54.23,77.79) 54.18,77.67 54.18,74.91
/FPGA Bank 16 & 17/USR_FLASH_1.CLK: length 26.3
  Top w0.1: 86.38,77.4 86.38,76.44 v1(86.38,76.42) ; 86.38,75.42 86.38,76.4
  Top w0.256: U1.C30 v1(65,73)
  In7.Cu w0.1: v1(86.38,76.42) 86.38,75.36 84.92,73.9 73.8,73.9 73.25,73.35 72.85,73.35 72.55,73.65 65.65,73.65 v1(65,73)
/FPGA Bank 16 & 17/USR_FLASH_1.DQ0: length 26.1
  Top w0.201: v1(86.68,74.45) 86.38,74.45
  Top w0.256: U1.E28 v1(63,71)
  In7.Cu w0.1: v1(63,71) 63.51,71.52 68.31,71.52 69.9,73.1 73.35,73.1 73.9,73.65 85.88,73.65 v1(86.68,74.45)
/FPGA Bank 16 & 17/USR_FLASH_1.DQ1: length 18.9
  Top w0.1: v1(73.4,72.45) 73.55,72.6 73.55,75.73 74.62,76.8
  Top w0.256: U1.H27 v1(62,68)
  In7.Cu w0.1: v1(73.4,72.45) 73.25,72.6 70.2,72.6 65.97,68.38 62.38,68.38 v1(62,68)
/FPGA Bank 16 & 17/USR_FLASH_1.DQ2: length 18.7
  Top w0.1: v1(74.1,73.25) 74.1,74.28 74.62,74.8 74.62,75.8
  Top w0.256: U1.H26 v1(61,68)
  In7.Cu w0.1: v1(61,68) 61.57,68.58 65.78,68.58 70.05,72.85 73.7,72.85 v1(74.1,73.25)
/FPGA Bank 16 & 17/USR_FLASH_1.DQ3: length 26.7
  Top w0.1: 86.41,79.4 86.38,79.38 86.38,78.38
  Top w0.201: 86.38,78.38 86.06,78.05 v1(86.03,78.05)
  Top w0.256: v1(64.03,74.05) 64.03,74.03 U1.B29
  In7.Cu w0.1: v1(86.03,78.05) 85.2,77.22 85.2,75.9 83.45,74.15 64.12,74.15 v1(64.03,74.05)
/FPGA Bank 16 & 17/USR_FLASH_1.~{CS}: length 15.9
  Top w0.1: 74.62,78.8 74.62,77.8 73.05,76.23 v1(73.05,73.75)
  Top w0.256: U1.C29 v1(64,73)
  In7.Cu w0.1: v1(64,73) 64.9,73.9 72.9,73.9 v1(73.05,73.75)
/FPGA Bank 18 & 32/ETH_RMII.MDC: length 52
  Top w0.184: v1(69.7,42.38) 69.7,41.2 69.95,40.95 70.46,40.95
  Top w0.256: U1.AB18 v1(53,53)
  In5.Cu w0.1: v1(69.7,42.38) 69.14,41.82 67,41.82 66.65,41.47 66.65,40.07 63.07,36.5 61.12,36.5 58.09,33.47 arc(57.97,33.41) 57.84,33.47 57.77,33.54 arc(57.64,33.59) 57.52,33.54 arc(57.47,33.42) 57.52,33.3 57.6,33.22 arc(57.65,33.09) 57.6,32.97 57.53,32.9 57.15,32.9 arc(57.03,32.95) 56.97,33.07 56.97,33.58 arc(56.92,33.71) 56.8,33.76 arc(56.68,33.71) 56.62,33.58 56.62,33.07 arc(56.57,32.95) 56.45,32.9 arc(56.33,32.95) 56.28,33.07 56.28,33.58 arc(56.22,33.71) 56.1,33.76 arc(55.98,33.71) 55.93,33.58 55.93,33.07 arc(55.87,32.95) 55.75,32.9 arc(55.63,32.95) 55.57,33.07 55.57,33.58 arc(55.52,33.71) 55.4,33.76 arc(55.28,33.71) 55.22,33.58 55.22,33.07 arc(55.17,32.95) 55.05,32.9 arc(54.93,32.95) 54.88,33.07 54.88,33.58 arc(54.82,33.71) 54.7,33.76 arc(54.58,33.71) 54.53,33.58 54.53,33.07 arc(54.47,32.95) 54.35,32.9 arc(54.23,32.95) 54.18,33.07 54.18,33.58 arc(54.12,33.71) 54,33.76 arc(53.88,33.71) 53.82,33.58 53.82,33.07 arc(53.77,32.95) 53.65,32.9 53.6,32.9 53.2,33.3 53.2,37.84 52.62,38.42 52.62,52.62 v1(53,53)
/FPGA Bank 18 & 32/ETH_RMII.MDIO: length 48.6